# Altium PCB TemperatureController(betaV1.0).PcbDoc (part 2 of 3)
Units mm, origin at the board's own origin, x right, y up, seen from the top; angles counter-clockwise.
Board outline 80.01 x 100.08 mm, 2 copper layers (Top Layer, Bottom Layer); 912 components, 574 nets, 2725 pads, 105 vias.
Unrouted connection lines stored in the file: 2043.
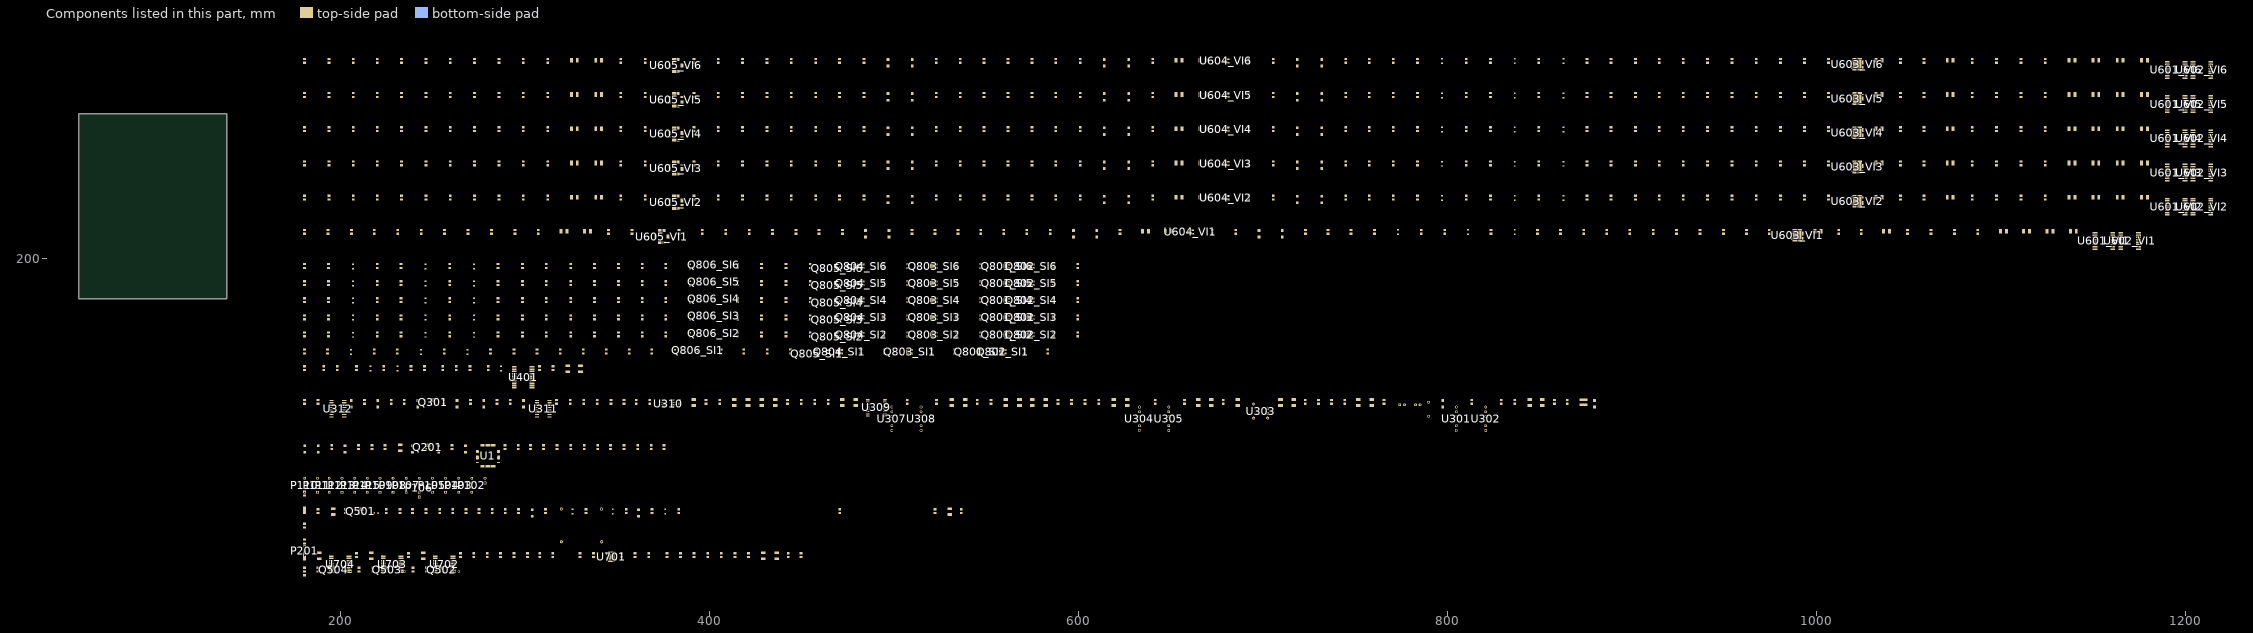
[diagram p2: the components of this part, seen from the top]

## Components (designator, comment, footprint, x,y, rotation, side; value= is the part's Value field where it differs from the comment) (continued)
P110 "Header 4" HDR1X4 180.467,73.152 r90 top
P111 "Header 4" HDR1X4 187.325,73.152 r90 top
P112 "Header 4" HDR1X4 193.675,73.152 r90 top
P113 "Header 4" HDR1X4 200.66,73.152 r90 top
P114 "Header 4" HDR1X4 207.518,73.152 r90 top
P115 "Header 4" HDR1X4 214.376,73.152 r90 top
P201 "Header 3" HDR1X3 180.467,38.862 r90 top
PTC401 "NTCS0805E3103JHT" 0805r 245.364,139.446 r90 top
PTC402 "NTCS0805E3103JHT" 0805r 198.12,139.446 r90 top
Q201 "MMSS8050" SOT-23-BJT 246.253,96.52 r0 top
Q301 "MMSS8050" SOT-23-BJT 249.047,121.031 r0 top
Q501 "MMSS8050" SOT-23-BJT 209.931,61.849 r0 top
Q502 "MMSS8050" SOT-23-BJT 253.746,30.099 r0 top
Q503 "MMSS8050" SOT-23-BJT 224.282,30.099 r0 top
Q504 "MMSS8050" SOT-23-BJT 195.199,30.099 r0 top
Q801_SI1 "MMSS8550" SOT-23-BJT 547.624,148.463 r90 top (schematic designator Q801)
Q801_SI2 "MMSS8550" SOT-23-BJT 562.356,157.734 r90 top (schematic designator Q801)
Q801_SI3 "MMSS8550" SOT-23-BJT 562.356,167.005 r90 top (schematic designator Q801)
Q801_SI4 "MMSS8550" SOT-23-BJT 562.356,176.276 r90 top (schematic designator Q801)
Q801_SI5 "MMSS8550" SOT-23-BJT 562.356,185.547 r90 top (schematic designator Q801)
Q801_SI6 "MMSS8550" SOT-23-BJT 562.356,194.818 r90 top (schematic designator Q801)
Q802_SI1 "MMSS8550" SOT-23-BJT 560.07,148.463 r90 top (schematic designator Q802)
Q802_SI2 "MMSS8550" SOT-23-BJT 575.31,157.734 r90 top (schematic designator Q802)
Q802_SI3 "MMSS8550" SOT-23-BJT 575.31,167.005 r90 top (schematic designator Q802)
Q802_SI4 "MMSS8550" SOT-23-BJT 575.31,176.276 r90 top (schematic designator Q802)
Q802_SI5 "MMSS8550" SOT-23-BJT 575.31,185.547 r90 top (schematic designator Q802)
Q802_SI6 "MMSS8550" SOT-23-BJT 575.31,194.818 r90 top (schematic designator Q802)
Q803_SI1 "MMSS8050" SOT-23-BJT 509.524,148.463 r90 top (schematic designator Q803)
Q803_SI2 "MMSS8050" SOT-23-BJT 522.732,157.734 r90 top (schematic designator Q803)
Q803_SI3 "MMSS8050" SOT-23-BJT 522.732,167.005 r90 top (schematic designator Q803)
Q803_SI4 "MMSS8050" SOT-23-BJT 522.732,176.276 r90 top (schematic designator Q803)
Q803_SI5 "MMSS8050" SOT-23-BJT 522.732,185.547 r90 top (schematic designator Q803)
Q803_SI6 "MMSS8050" SOT-23-BJT 522.732,194.818 r90 top (schematic designator Q803)
Q804_SI1 "MMSS8550" SOT-23-BJT 471.424,148.463 r90 top (schematic designator Q804)
Q804_SI2 "MMSS8550" SOT-23-BJT 483.108,157.734 r90 top (schematic designator Q804)
Q804_SI3 "MMSS8550" SOT-23-BJT 483.108,167.005 r90 top (schematic designator Q804)
Q804_SI4 "MMSS8550" SOT-23-BJT 483.108,176.276 r90 top (schematic designator Q804)
Q804_SI5 "MMSS8550" SOT-23-BJT 483.108,185.547 r90 top (schematic designator Q804)
Q804_SI6 "MMSS8550" SOT-23-BJT 483.108,194.818 r90 top (schematic designator Q804)
Q805_SI1 "BSS138" E3 457.962,148.209 r90 top (schematic designator Q805)
Q805_SI2 "BSS138" E3 469.138,157.48 r90 top (schematic designator Q805)
Q805_SI3 "BSS138" E3 469.138,166.751 r90 top (schematic designator Q805)
Q805_SI4 "BSS138" E3 469.138,176.022 r90 top (schematic designator Q805)
Q805_SI5 "BSS138" E3 469.138,185.293 r90 top (schematic designator Q805)
Q805_SI6 "BSS138" E3 469.138,194.564 r90 top (schematic designator Q805)
Q806_SI1 "Si1024X" SOT563F(SC-89-6) 393.573,150.241 r90 top (schematic designator Q806)
Q806_SI2 "Si1024X" SOT563F(SC-89-6) 402.209,159.512 r90 top (schematic designator Q806)
Q806_SI3 "Si1024X" SOT563F(SC-89-6) 402.209,168.783 r90 top (schematic designator Q806)
Q806_SI4 "Si1024X" SOT563F(SC-89-6) 402.209,178.054 r90 top (schematic designator Q806)
Q806_SI5 "Si1024X" SOT563F(SC-89-6) 402.209,187.325 r90 top (schematic designator Q806)
Q806_SI6 "Si1024X" SOT563F(SC-89-6) 402.209,196.596 r90 top (schematic designator Q806)
R201 "RC0805JR-000KL" 0805R 368.3,96.647 r90 top value=0R
R202 "RC0805JR-07120RL" 0805R 375.158,96.647 r90 top value=120
R203 "RC0805JR-0710KL" 0805R 360.934,96.647 r90 top value=10K
R204 "RC0805JR-0720RL" 0805R 353.568,96.647 r90 top value=20
R205 "RC0805JR-0720RL" 0805R 346.202,96.647 r90 top value=20
R206 "RC0805JR-0710KL" 0805R 331.978,96.647 r90 top value=10K
R207 "RC0805JR-0710KL" 0805R 324.612,96.647 r90 top value=10K
R208 "RC0805JR-0710KL" 0805R 317.246,96.647 r90 top value=10K
R209 "RC0805JR-0710KL" 0805R 309.88,96.647 r90 top value=NC
R210 "RC0805JR-0710KL" 0805R 302.768,96.647 r90 top value=NC
R211 "RC0805JR-0710KL" 0805R 296.164,96.647 r90 top value=NC
R212 "RC0805JR-000KL" 0805R 289.052,96.647 r90 top value=0R
R213 "RC0805JR-0710KL" 0805R 260.35,96.647 r90 top value=10K
R214 "RC0805JR-0710KL" 0805R 216.916,96.647 r90 top value=10K
R215 "RC0805JR-0710KL" 0805R 195.072,96.647 r90 top value=10K
R301 "PNP-200KJBJ26-10R" 0805R 864.87,121.158 r90 top value=10
R302 "PNP-200KJBJ26-10R" 0805R 836.422,121.158 r90 top value=10
R303 "10D470K" mov 789.686,118.237 r90 top
R304 "RC0805JR-071KL" 0805R 367.538,121.158 r90 top value=1K
R305 "RC0805JR-07470RL" 0805R 360.172,121.158 r90 top value=470
R306 "RC0805JR-071KL" 0805R 316.992,121.158 r90 top value=1K
R307 "RC0805JR-071KL" 0805R 324.358,121.158 r90 top value=1K
R308 "RC0805JR-071KL" 0805R 331.724,121.158 r90 top value=1K
R309 "RC0805JR-071KL" 0805R 339.09,121.158 r90 top value=1K
R310 "RC0805JR-071KL" 0805R 346.456,121.158 r90 top value=1K
R311 "RC0805JR-071KL" 0805R 353.568,121.158 r90 top value=1K
R312 "RC0805JR-074700RL" 0805R 291.846,121.158 r90 top value=4.7K
R313 "RC0805JR-074700RL" 0805R 270.256,121.158 r90 top value=4.7K
R314 "RC0805JR-0710KL" 0805R 284.734,121.158 r90 top value=10K
R315 "RC0805JR-074700RL" 0805R 255.778,121.158 r90 top value=4.7K
R316 "RC0805JR-074700RL" 0805R 234.442,121.158 r90 top value=4.7K
R317 "RC0805JR-071KL" 0805R 227.33,121.158 r90 top value=1K
R318 "RC0805JR-071KL" 0805R 212.852,121.158 r90 top value=1K
R319 "RC0805JR-074700RL" 0805R 187.706,121.158 r90 top value=4.7K
R320 "RC0805JR-074700RL" 0805R 180.34,121.158 r90 top value=4.7K
R401 "RC0805JR-0710KL" 0805R 279.908,139.446 r90 top value=10K
R402 "RC0805JR-0720RL" 0805R 255.27,139.446 r90 top value=20
R403 "" 0805R 237.998,139.446 r90 top value=3.9K
R404 "RC0805JR-0720RL" 0805R 223.266,139.446 r90 top value=20
R405 "RC0805JR-0710KL" 0805R 208.534,139.446 r90 top value=10K
R501 "0805L075" 0805R 536.321,61.976 r90 top value=PTC
R502 "" 0805R 368.681,61.976 r90 top value=NC
R503 "RC0805JR-0720RL" 0805R 354.711,61.976 r90 top value=20
R504 "RC0805JR-0720RL" 0805R 332.867,61.976 r90 top value=20
R505 "" 0805R 311.023,61.976 r90 top value=1.5K
R506 "0805L075" 0805R 470.535,61.976 r90 top value=PTC
R507 "RC0805JR-0710KL" 0805R 253.619,61.976 r90 top value=10K
R508 "RC0805JR-0710KL" 0805R 260.731,61.976 r90 top value=10K
R509 "RC0805JR-0710KL" 0805R 267.843,61.976 r90 top value=10K
R510 "RC0805JR-0710KL" 0805R 274.955,61.976 r90 top value=10K
R511 "RC0805JR-0710KL" 0805R 282.067,61.976 r90 top value=10K
R512 "RC0805JR-0710KL" 0805R 289.179,61.976 r90 top value=10K
R513 "RC0805JR-0710KL" 0805R 224.663,61.976 r90 top value=10K
R514 "RC0805JR-0710KL" 0805R 232.029,61.976 r90 top value=10K
R515 "RC0805JR-0710KL" 0805R 238.887,61.976 r90 top value=10K
R516 "RC0805JR-0710KL" 0805R 246.253,61.976 r90 top value=10K
R517 "RC0805JR-07120RL" 0805R 202.438,61.976 r90 top value=120
R518 "RC0805JR-0710KL" 0805R 187.706,61.976 r90 top value=10K
R519 "RC0805JR-07120RL" 0805R 246.507,30.226 r90 top value=120
R520 "RC0805JR-0710KL" 0805R 239.141,30.226 r90 top value=10K
R521 "RC0805JR-07120RL" 0805R 217.297,30.226 r90 top value=120
R522 "RC0805JR-0710KL" 0805R 209.931,30.226 r90 top value=10K
R523 "RC0805JR-07120RL" 0805R 187.706,30.226 r90 top value=120
R524 "RC0805JR-0710KL" 0805R 180.34,30.226 r90 top value=10K
R601_VI1 "RC0805JR-0710KL" 0805R 962.025,213.36 r90 top value=10K (schematic designator R601)
R601_VI2 "RC0805JR-0710KL" 0805R 993.521,231.902 r90 top value=10K (schematic designator R601)
R601_VI3 "RC0805JR-0710KL" 0805R 993.521,250.444 r90 top value=10K (schematic designator R601)
R601_VI4 "RC0805JR-0710KL" 0805R 993.521,268.986 r90 top value=10K (schematic designator R601)
R601_VI5 "RC0805JR-0710KL" 0805R 993.521,287.528 r90 top value=10K (schematic designator R601)
R601_VI6 "RC0805JR-0710KL" 0805R 993.521,306.07 r90 top value=10K (schematic designator R601)
R602_VI1 "RC0805JR-000KL" 0805R 936.879,213.36 r90 top value=0R (schematic designator R602)
R602_VI2 "RC0805JR-000KL" 0805R 967.359,231.902 r90 top value=0R (schematic designator R602)
R602_VI3 "RC0805JR-000KL" 0805R 967.359,250.444 r90 top value=0R (schematic designator R602)
R602_VI4 "RC0805JR-000KL" 0805R 967.359,268.986 r90 top value=0R (schematic designator R602)
R602_VI5 "RC0805JR-000KL" 0805R 967.359,287.528 r90 top value=0R (schematic designator R602)
R602_VI6 "RC0805JR-000KL" 0805R 967.359,306.07 r90 top value=0R (schematic designator R602)
R603_VI1 "RC0805JR-073KL" 0805R 924.179,213.36 r90 top value=13.7K (schematic designator R603)
R603_VI2 "RC0805JR-073KL" 0805R 954.151,231.902 r90 top value=13.7K (schematic designator R603)
R603_VI3 "RC0805JR-073KL" 0805R 954.151,250.444 r90 top value=13.7K (schematic designator R603)
R603_VI4 "RC0805JR-073KL" 0805R 954.151,268.986 r90 top value=13.7K (schematic designator R603)
R603_VI5 "RC0805JR-073KL" 0805R 954.151,287.528 r90 top value=13.7K (schematic designator R603)
R603_VI6 "RC0805JR-073KL" 0805R 954.151,306.07 r90 top value=13.7K (schematic designator R603)
R604_VI1 "RC0805JR-000KL" 0805R 898.779,213.36 r90 top value=0R (schematic designator R604)
R604_VI2 "RC0805JR-000KL" 0805R 927.735,231.902 r90 top value=0R (schematic designator R604)
R604_VI3 "RC0805JR-000KL" 0805R 927.735,250.444 r90 top value=0R (schematic designator R604)
R604_VI4 "RC0805JR-000KL" 0805R 927.735,268.986 r90 top value=0R (schematic designator R604)
R604_VI5 "RC0805JR-000KL" 0805R 927.735,287.528 r90 top value=0R (schematic designator R604)
R604_VI6 "RC0805JR-000KL" 0805R 927.735,306.07 r90 top value=0R (schematic designator R604)
R605_VI1 "RC0805JR-000KL" 0805R 861.187,213.36 r90 top value=0R (schematic designator R605)
R605_VI2 "RC0805JR-000KL" 0805R 888.619,231.902 r90 top value=0R (schematic designator R605)
R605_VI3 "RC0805JR-000KL" 0805R 888.619,250.444 r90 top value=0R (schematic designator R605)
R605_VI4 "RC0805JR-000KL" 0805R 888.619,268.986 r90 top value=0R (schematic designator R605)
R605_VI5 "RC0805JR-000KL" 0805R 888.619,287.528 r90 top value=0R (schematic designator R605)
R605_VI6 "RC0805JR-000KL" 0805R 888.619,306.07 r90 top value=0R (schematic designator R605)
R606_VI1 "" 0805R 823.595,213.36 r90 top value=10R (schematic designator R606)
R606_VI2 "" 0805R 849.503,231.902 r90 top value=10R (schematic designator R606)
R606_VI3 "" 0805R 849.503,250.444 r90 top value=10R (schematic designator R606)
R606_VI4 "" 0805R 849.503,268.986 r90 top value=10R (schematic designator R606)
R606_VI5 "" 0805R 849.503,287.528 r90 top value=10R (schematic designator R606)
R606_VI6 "" 0805R 849.503,306.07 r90 top value=10R (schematic designator R606)
R607_VI1 "RC0805JR-074700RL" 0805R 785.749,213.36 r90 top value=4.7K (schematic designator R607)
R607_VI2 "RC0805JR-074700RL" 0805R 810.133,231.902 r90 top value=4.7K (schematic designator R607)
R607_VI3 "RC0805JR-074700RL" 0805R 810.133,250.444 r90 top value=4.7K (schematic designator R607)
R607_VI4 "RC0805JR-074700RL" 0805R 810.133,268.986 r90 top value=4.7K (schematic designator R607)
R607_VI5 "RC0805JR-074700RL" 0805R 810.133,287.528 r90 top value=4.7K (schematic designator R607)
R607_VI6 "RC0805JR-074700RL" 0805R 810.133,306.07 r90 top value=4.7K (schematic designator R607)
R608_VI1 "RC0805JR-071KL" 0805R 760.349,213.36 r90 top value=1K (schematic designator R608)
R608_VI2 "RC0805JR-071KL" 0805R 783.717,231.902 r90 top value=1K (schematic designator R608)
R608_VI3 "RC0805JR-071KL" 0805R 783.717,250.444 r90 top value=1K (schematic designator R608)
R608_VI4 "RC0805JR-071KL" 0805R 783.717,268.986 r90 top value=1K (schematic designator R608)
R608_VI5 "RC0805JR-071KL" 0805R 783.717,287.528 r90 top value=1K (schematic designator R608)
R608_VI6 "RC0805JR-071KL" 0805R 783.717,306.07 r90 top value=1K (schematic designator R608)
R609_VI1 "RC0805JR-071KL" 0805R 747.649,213.36 r90 top value=1K (schematic designator R609)
R609_VI2 "RC0805JR-071KL" 0805R 770.509,231.902 r90 top value=1K (schematic designator R609)
R609_VI3 "RC0805JR-071KL" 0805R 770.509,250.444 r90 top value=1K (schematic designator R609)
R609_VI4 "RC0805JR-071KL" 0805R 770.509,268.986 r90 top value=1K (schematic designator R609)
R609_VI5 "RC0805JR-071KL" 0805R 770.509,287.528 r90 top value=1K (schematic designator R609)
R609_VI6 "RC0805JR-071KL" 0805R 770.509,306.07 r90 top value=1K (schematic designator R609)
R610_VI1 "RC0805JR-071KL" 0805R 735.203,213.36 r90 top value=1K (schematic designator R610)
R610_VI2 "RC0805JR-071KL" 0805R 757.555,231.902 r90 top value=1K (schematic designator R610)
R610_VI3 "RC0805JR-071KL" 0805R 757.555,250.444 r90 top value=1K (schematic designator R610)
R610_VI4 "RC0805JR-071KL" 0805R 757.555,268.986 r90 top value=1K (schematic designator R610)
R610_VI5 "RC0805JR-071KL" 0805R 757.555,287.528 r90 top value=1K (schematic designator R610)
R610_VI6 "RC0805JR-071KL" 0805R 757.555,306.07 r90 top value=1K (schematic designator R610)
R611_VI1 "RC0805JR-071KL" 0805R 723.011,213.36 r90 top value=1K (schematic designator R611)
R611_VI2 "RC0805JR-071KL" 0805R 744.855,231.902 r90 top value=1K (schematic designator R611)
R611_VI3 "RC0805JR-071KL" 0805R 744.855,250.444 r90 top value=1K (schematic designator R611)
R611_VI4 "RC0805JR-071KL" 0805R 744.855,268.986 r90 top value=1K (schematic designator R611)
R611_VI5 "RC0805JR-071KL" 0805R 744.855,287.528 r90 top value=1K (schematic designator R611)
R611_VI6 "RC0805JR-071KL" 0805R 744.855,306.07 r90 top value=1K (schematic designator R611)
R612_VI1 "RC0805JR-073KL" 0805R 685.165,213.36 r90 top value=3K (schematic designator R612)
R612_VI2 "RC0805JR-073KL" 0805R 705.485,231.902 r90 top value=3K (schematic designator R612)
R612_VI3 "RC0805JR-073KL" 0805R 705.485,250.444 r90 top value=3K (schematic designator R612)
R612_VI4 "RC0805JR-073KL" 0805R 705.485,268.986 r90 top value=3K (schematic designator R612)
R612_VI5 "RC0805JR-073KL" 0805R 705.485,287.528 r90 top value=3K (schematic designator R612)
R612_VI6 "RC0805JR-073KL" 0805R 705.485,306.07 r90 top value=3K (schematic designator R612)
R613_VI1 "RC0805JR-000KL" 0805R 622.427,213.36 r90 top value=0R (schematic designator R613)
R613_VI2 "RC0805JR-000KL" 0805R 640.207,231.902 r90 top value=0R (schematic designator R613)
R613_VI3 "RC0805JR-000KL" 0805R 640.207,250.444 r90 top value=0R (schematic designator R613)
R613_VI4 "RC0805JR-000KL" 0805R 640.207,268.986 r90 top value=0R (schematic designator R613)
R613_VI5 "RC0805JR-000KL" 0805R 640.207,287.528 r90 top value=0R (schematic designator R613)
R613_VI6 "RC0805JR-000KL" 0805R 640.207,306.07 r90 top value=0R (schematic designator R613)
R614_VI1 "RC0805JR-000KL" 0805R 559.435,213.36 r90 top value=0R (schematic designator R614)
R614_VI2 "RC0805JR-000KL" 0805R 574.675,231.902 r90 top value=0R (schematic designator R614)
R614_VI3 "RC0805JR-000KL" 0805R 574.675,250.444 r90 top value=0R (schematic designator R614)
R614_VI4 "RC0805JR-000KL" 0805R 574.675,268.986 r90 top value=0R (schematic designator R614)
R614_VI5 "RC0805JR-000KL" 0805R 574.675,287.528 r90 top value=0R (schematic designator R614)
R614_VI6 "RC0805JR-000KL" 0805R 574.675,306.07 r90 top value=0R (schematic designator R614)
R615_VI1 "RC0805JR-073KL" 0805R 534.543,213.36 r90 top value=3K (schematic designator R615)
R615_VI2 "RC0805JR-073KL" 0805R 548.767,231.902 r90 top value=3K (schematic designator R615)
R615_VI3 "RC0805JR-073KL" 0805R 548.767,250.444 r90 top value=3K (schematic designator R615)
R615_VI4 "RC0805JR-073KL" 0805R 548.767,268.986 r90 top value=3K (schematic designator R615)
R615_VI5 "RC0805JR-073KL" 0805R 548.767,287.528 r90 top value=3K (schematic designator R615)
R615_VI6 "RC0805JR-073KL" 0805R 548.767,306.07 r90 top value=3K (schematic designator R615)
R616_VI1 "RC0805JR-0710KL" 0805R 546.989,213.36 r90 top value=10K (schematic designator R616)
R616_VI2 "RC0805JR-0710KL" 0805R 561.721,231.902 r90 top value=10K (schematic designator R616)
R616_VI3 "RC0805JR-0710KL" 0805R 561.721,250.444 r90 top value=10K (schematic designator R616)
R616_VI4 "RC0805JR-0710KL" 0805R 561.721,268.986 r90 top value=10K (schematic designator R616)
R616_VI5 "RC0805JR-0710KL" 0805R 561.721,287.528 r90 top value=10K (schematic designator R616)
R616_VI6 "RC0805JR-0710KL" 0805R 561.721,306.07 r90 top value=10K (schematic designator R616)
R617_VI1 "RC0805JR-000KL" 0805R 522.097,213.36 r90 top value=0R (schematic designator R617)
R617_VI2 "RC0805JR-000KL" 0805R 535.813,231.902 r90 top value=0R (schematic designator R617)
R617_VI3 "RC0805JR-000KL" 0805R 535.813,250.444 r90 top value=0R (schematic designator R617)
R617_VI4 "RC0805JR-000KL" 0805R 535.813,268.986 r90 top value=0R (schematic designator R617)
R617_VI5 "RC0805JR-000KL" 0805R 535.813,287.528 r90 top value=0R (schematic designator R617)
R617_VI6 "RC0805JR-000KL" 0805R 535.813,306.07 r90 top value=0R (schematic designator R617)
R618_VI1 "RC0805JR-0710KL" 0805R 509.651,213.36 r90 top value=10K (schematic designator R618)
R618_VI2 "RC0805JR-0710KL" 0805R 522.859,231.902 r90 top value=10K (schematic designator R618)
R618_VI3 "RC0805JR-0710KL" 0805R 522.859,250.444 r90 top value=10K (schematic designator R618)
R618_VI4 "RC0805JR-0710KL" 0805R 522.859,268.986 r90 top value=10K (schematic designator R618)
R618_VI5 "RC0805JR-0710KL" 0805R 522.859,287.528 r90 top value=10K (schematic designator R618)
R618_VI6 "RC0805JR-0710KL" 0805R 522.859,306.07 r90 top value=10K (schematic designator R618)
R619_VI1 "RC0805JR-000KL" 0805R 471.932,213.36 r90 top value=0R (schematic designator R619)
R619_VI2 "RC0805JR-000KL" 0805R 483.616,231.902 r90 top value=0R (schematic designator R619)
R619_VI3 "RC0805JR-000KL" 0805R 483.616,250.444 r90 top value=0R (schematic designator R619)
R619_VI4 "RC0805JR-000KL" 0805R 483.616,268.986 r90 top value=0R (schematic designator R619)
R619_VI5 "RC0805JR-000KL" 0805R 483.616,287.528 r90 top value=0R (schematic designator R619)
R619_VI6 "RC0805JR-000KL" 0805R 483.616,306.07 r90 top value=0R (schematic designator R619)
R620_VI1 "RC0805JR-0710KL" 0805R 459.232,213.36 r90 top value=10K (schematic designator R620)
R620_VI2 "RC0805JR-0710KL" 0805R 470.408,231.902 r90 top value=10K (schematic designator R620)
R620_VI3 "RC0805JR-0710KL" 0805R 470.408,250.444 r90 top value=10K (schematic designator R620)
R620_VI4 "RC0805JR-0710KL" 0805R 470.408,268.986 r90 top value=10K (schematic designator R620)
R620_VI5 "RC0805JR-0710KL" 0805R 470.408,287.528 r90 top value=10K (schematic designator R620)
R620_VI6 "RC0805JR-0710KL" 0805R 470.408,306.07 r90 top value=10K (schematic designator R620)
R621_VI1 "RC0805JR-000KL" 0805R 446.786,213.36 r90 top value=0R (schematic designator R621)
R621_VI2 "RC0805JR-000KL" 0805R 457.454,231.902 r90 top value=0R (schematic designator R621)
R621_VI3 "RC0805JR-000KL" 0805R 457.454,250.444 r90 top value=0R (schematic designator R621)
R621_VI4 "RC0805JR-000KL" 0805R 457.454,268.986 r90 top value=0R (schematic designator R621)
R621_VI5 "RC0805JR-000KL" 0805R 457.454,287.528 r90 top value=0R (schematic designator R621)
R621_VI6 "RC0805JR-000KL" 0805R 457.454,306.07 r90 top value=0R (schematic designator R621)
R622_VI1 "RC0805JR-000KL" 0805R 434.086,213.36 r90 top value=0R (schematic designator R622)
R622_VI2 "RC0805JR-000KL" 0805R 444.246,231.902 r90 top value=0R (schematic designator R622)
R622_VI3 "RC0805JR-000KL" 0805R 444.246,250.444 r90 top value=0R (schematic designator R622)
R622_VI4 "RC0805JR-000KL" 0805R 444.246,268.986 r90 top value=0R (schematic designator R622)
R622_VI5 "RC0805JR-000KL" 0805R 444.246,287.528 r90 top value=0R (schematic designator R622)
R622_VI6 "RC0805JR-000KL" 0805R 444.246,306.07 r90 top value=0R (schematic designator R622)
R623_VI1 "RC0805JR-0710KL" 0805R 421.386,213.36 r90 top value=10K (schematic designator R623)
R623_VI2 "RC0805JR-0710KL" 0805R 431.038,231.902 r90 top value=10K (schematic designator R623)
R623_VI3 "RC0805JR-0710KL" 0805R 431.038,250.444 r90 top value=10K (schematic designator R623)
R623_VI4 "RC0805JR-0710KL" 0805R 431.038,268.986 r90 top value=10K (schematic designator R623)
R623_VI5 "RC0805JR-0710KL" 0805R 431.038,287.528 r90 top value=10K (schematic designator R623)
R623_VI6 "RC0805JR-0710KL" 0805R 431.038,306.07 r90 top value=10K (schematic designator R623)
R624_VI1 "RC0805JR-0710KL" 0805R 408.686,213.36 r90 top value=10K (schematic designator R624)
R624_VI2 "RC0805JR-0710KL" 0805R 417.83,231.902 r90 top value=10K (schematic designator R624)
R624_VI3 "RC0805JR-0710KL" 0805R 417.83,250.444 r90 top value=10K (schematic designator R624)
R624_VI4 "RC0805JR-0710KL" 0805R 417.83,268.986 r90 top value=10K (schematic designator R624)
R624_VI5 "RC0805JR-0710KL" 0805R 417.83,287.528 r90 top value=10K (schematic designator R624)
R624_VI6 "RC0805JR-0710KL" 0805R 417.83,306.07 r90 top value=10K (schematic designator R624)
R625_VI1 "RC0805JR-000KL" 0805R 395.986,213.36 r90 top value=0R (schematic designator R625)
R625_VI2 "RC0805JR-000KL" 0805R 404.622,231.902 r90 top value=0R (schematic designator R625)
R625_VI3 "RC0805JR-000KL" 0805R 404.622,250.444 r90 top value=0R (schematic designator R625)
R625_VI4 "RC0805JR-000KL" 0805R 404.622,268.986 r90 top value=0R (schematic designator R625)
R625_VI5 "RC0805JR-000KL" 0805R 404.622,287.528 r90 top value=0R (schematic designator R625)
R625_VI6 "RC0805JR-000KL" 0805R 404.622,306.07 r90 top value=0R (schematic designator R625)
R626_VI1 "RC0805JR-0710KL" 0805R 383.286,213.36 r90 top value=10K (schematic designator R626)
R626_VI2 "RC0805JR-0710KL" 0805R 391.414,231.902 r90 top value=10K (schematic designator R626)
R626_VI3 "RC0805JR-0710KL" 0805R 391.414,250.444 r90 top value=10K (schematic designator R626)
R626_VI4 "RC0805JR-0710KL" 0805R 391.414,268.986 r90 top value=10K (schematic designator R626)
R626_VI5 "RC0805JR-0710KL" 0805R 391.414,287.528 r90 top value=10K (schematic designator R626)
R626_VI6 "RC0805JR-0710KL" 0805R 391.414,306.07 r90 top value=10K (schematic designator R626)
R627_VI1 "" 0805R 294.386,213.36 r90 top value=150K (schematic designator R627)
R627_VI2 "" 0805R 298.958,231.902 r90 top value=150K (schematic designator R627)
R627_VI3 "" 0805R 298.958,250.444 r90 top value=150K (schematic designator R627)
R627_VI4 "" 0805R 298.958,268.986 r90 top value=150K (schematic designator R627)
R627_VI5 "" 0805R 298.958,287.528 r90 top value=150K (schematic designator R627)
R627_VI6 "" 0805R 298.958,306.07 r90 top value=150K (schematic designator R627)
R628_VI1 "" 0805R 243.586,213.36 r90 top value=1.2M (schematic designator R628)
R628_VI2 "" 0805R 246.126,231.902 r90 top value=1.2M (schematic designator R628)
R628_VI3 "" 0805R 246.126,250.444 r90 top value=1.2M (schematic designator R628)
R628_VI4 "" 0805R 246.126,268.986 r90 top value=1.2M (schematic designator R628)
R628_VI5 "" 0805R 246.126,287.528 r90 top value=1.2M (schematic designator R628)
R628_VI6 "" 0805R 246.126,306.07 r90 top value=1.2M (schematic designator R628)
R629_VI1 "" 0805R 230.886,213.36 r90 top value=1.2M (schematic designator R629)
R629_VI2 "" 0805R 232.918,231.902 r90 top value=1.2M (schematic designator R629)
R629_VI3 "" 0805R 232.918,250.444 r90 top value=1.2M (schematic designator R629)
R629_VI4 "" 0805R 232.918,268.986 r90 top value=1.2M (schematic designator R629)
R629_VI5 "" 0805R 232.918,287.528 r90 top value=1.2M (schematic designator R629)
R629_VI6 "" 0805R 232.918,306.07 r90 top value=1.2M (schematic designator R629)
R701 "RC0805JR-075600RL" 0805R 449.453,38.1 r90 top value=5.6K
R702 "RC0805JR-071KL" 0805R 391.541,38.1 r90 top value=1K
R703 "RC0805JR-071KL" 0805R 376.809,38.1 r90 top value=1K
R704 "RC0805JR-07470RL" 0805R 352.171,38.1 r90 top value=470
R705 "RC0805JR-000KL" 0805R 329.692,38.1 r90 top value=0R
R706 "RC0805JR-071KL" 0805R 293.878,38.1 r90 top value=1K
R707 "RC0805JR-075600RL" 0805R 286.512,38.1 r90 top value=5.6K
R708 "RC0805JR-071KL" 0805R 272.034,38.1 r90 top value=1K
R801_SI1 "RC0805JR-0710KL" 0805R 583.311,148.463 r90 top value=10K (schematic designator R801)
R801_SI2 "RC0805JR-0710KL" 0805R 599.567,157.734 r90 top value=10K (schematic designator R801)
R801_SI3 "RC0805JR-0710KL" 0805R 599.567,167.005 r90 top value=10K (schematic designator R801)
R801_SI4 "RC0805JR-0710KL" 0805R 599.567,176.276 r90 top value=10K (schematic designator R801)
R801_SI5 "RC0805JR-0710KL" 0805R 599.567,185.547 r90 top value=10K (schematic designator R801)
R801_SI6 "RC0805JR-0710KL" 0805R 599.567,194.818 r90 top value=10K (schematic designator R801)
R802_SI1 "RC0805JR-0710KL" 0805R 570.611,148.463 r90 top value=10K (schematic designator R802)
R802_SI2 "RC0805JR-0710KL" 0805R 586.359,157.734 r90 top value=10K (schematic designator R802)
R802_SI3 "RC0805JR-0710KL" 0805R 586.359,167.005 r90 top value=10K (schematic designator R802)
R802_SI4 "RC0805JR-0710KL" 0805R 586.359,176.276 r90 top value=10K (schematic designator R802)
R802_SI5 "RC0805JR-0710KL" 0805R 586.359,185.547 r90 top value=10K (schematic designator R802)
R802_SI6 "RC0805JR-0710KL" 0805R 586.359,194.818 r90 top value=10K (schematic designator R802)
R803_SI1 "RC0805JR-0710KL" 0805R 532.765,148.463 r90 top value=10K (schematic designator R803)
R803_SI2 "RC0805JR-0710KL" 0805R 546.989,157.734 r90 top value=10K (schematic designator R803)
R803_SI3 "RC0805JR-0710KL" 0805R 546.989,167.005 r90 top value=10K (schematic designator R803)
R803_SI4 "RC0805JR-0710KL" 0805R 546.989,176.276 r90 top value=10K (schematic designator R803)
R803_SI5 "RC0805JR-0710KL" 0805R 546.989,185.547 r90 top value=10K (schematic designator R803)
R803_SI6 "RC0805JR-0710KL" 0805R 546.989,194.818 r90 top value=10K (schematic designator R803)
R804_SI1 "RC0805JR-0710KL" 0805R 520.065,148.463 r90 top value=10K (schematic designator R804)
R804_SI2 "RC0805JR-0710KL" 0805R 533.781,157.734 r90 top value=10K (schematic designator R804)
R804_SI3 "RC0805JR-0710KL" 0805R 533.781,167.005 r90 top value=10K (schematic designator R804)
R804_SI4 "RC0805JR-0710KL" 0805R 533.781,176.276 r90 top value=10K (schematic designator R804)
R804_SI5 "RC0805JR-0710KL" 0805R 533.781,185.547 r90 top value=10K (schematic designator R804)
R804_SI6 "RC0805JR-0710KL" 0805R 533.781,194.818 r90 top value=10K (schematic designator R804)
R805_SI1 "RC0805JR-0710KL" 0805R 494.665,148.463 r90 top value=10K (schematic designator R805)
R805_SI2 "RC0805JR-0710KL" 0805R 507.365,157.734 r90 top value=10K (schematic designator R805)
R805_SI3 "RC0805JR-0710KL" 0805R 507.365,167.005 r90 top value=10K (schematic designator R805)
R805_SI4 "RC0805JR-0710KL" 0805R 507.365,176.276 r90 top value=10K (schematic designator R805)
R805_SI5 "RC0805JR-0710KL" 0805R 507.365,185.547 r90 top value=10K (schematic designator R805)
R805_SI6 "RC0805JR-0710KL" 0805R 507.365,194.818 r90 top value=10K (schematic designator R805)
R806_SI1 "RC0805JR-0710KL" 0805R 481.965,148.463 r90 top value=10K (schematic designator R806)
R806_SI2 "RC0805JR-0710KL" 0805R 494.157,157.734 r90 top value=10K (schematic designator R806)
R806_SI3 "RC0805JR-0710KL" 0805R 494.157,167.005 r90 top value=10K (schematic designator R806)
R806_SI4 "RC0805JR-0710KL" 0805R 494.157,176.276 r90 top value=10K (schematic designator R806)
R806_SI5 "RC0805JR-0710KL" 0805R 494.157,185.547 r90 top value=10K (schematic designator R806)
R806_SI6 "RC0805JR-0710KL" 0805R 494.157,194.818 r90 top value=10K (schematic designator R806)
R807_SI1 "RC0805JR-0720RL" 0805R 443.865,148.463 r90 top value=20 (schematic designator R807)
R807_SI2 "RC0805JR-0720RL" 0805R 454.533,157.734 r90 top value=20 (schematic designator R807)
R807_SI3 "RC0805JR-0720RL" 0805R 454.533,167.005 r90 top value=20 (schematic designator R807)
R807_SI4 "RC0805JR-0720RL" 0805R 454.533,176.276 r90 top value=20 (schematic designator R807)
R807_SI5 "RC0805JR-0720RL" 0805R 454.533,185.547 r90 top value=20 (schematic designator R807)
R807_SI6 "RC0805JR-0720RL" 0805R 454.533,194.818 r90 top value=20 (schematic designator R807)
R808_SI1 "RC0805JR-0710KL" 0805R 431.165,148.463 r90 top value=10K (schematic designator R808)
R808_SI2 "RC0805JR-0710KL" 0805R 441.325,157.734 r90 top value=10K (schematic designator R808)
R808_SI3 "RC0805JR-0710KL" 0805R 441.325,167.005 r90 top value=10K (schematic designator R808)
R808_SI4 "RC0805JR-0710KL" 0805R 441.325,176.276 r90 top value=10K (schematic designator R808)
R808_SI5 "RC0805JR-0710KL" 0805R 441.325,185.547 r90 top value=10K (schematic designator R808)
R808_SI6 "RC0805JR-0710KL" 0805R 441.325,194.818 r90 top value=10K (schematic designator R808)
R809_SI1 "RC0805JR-0710KL" 0805R 418.465,148.463 r90 top value=10K (schematic designator R809)
R809_SI2 "RC0805JR-0710KL" 0805R 428.117,157.734 r90 top value=10K (schematic designator R809)
R809_SI3 "RC0805JR-0710KL" 0805R 428.117,167.005 r90 top value=10K (schematic designator R809)
R809_SI4 "RC0805JR-0710KL" 0805R 428.117,176.276 r90 top value=10K (schematic designator R809)
R809_SI5 "RC0805JR-0710KL" 0805R 428.117,185.547 r90 top value=10K (schematic designator R809)
R809_SI6 "RC0805JR-0710KL" 0805R 428.117,194.818 r90 top value=10K (schematic designator R809)
R810_SI1 "RC0805JR-0710KL" 0805R 406.146,148.463 r90 top value=10K (schematic designator R810)
R810_SI2 "RC0805JR-0710KL" 0805R 415.163,157.734 r90 top value=10K (schematic designator R810)
R810_SI3 "RC0805JR-0710KL" 0805R 415.163,167.005 r90 top value=10K (schematic designator R810)
R810_SI4 "RC0805JR-0710KL" 0805R 415.163,176.276 r90 top value=10K (schematic designator R810)
R810_SI5 "RC0805JR-0710KL" 0805R 415.163,185.547 r90 top value=10K (schematic designator R810)
R810_SI6 "RC0805JR-0710KL" 0805R 415.163,194.818 r90 top value=10K (schematic designator R810)
R811_SI1 "RC0805JR-0710KL" 0805R 356.362,148.463 r90 top value=10K (schematic designator R811)
R811_SI2 "RC0805JR-0710KL" 0805R 363.474,157.734 r90 top value=10K (schematic designator R811)
R811_SI3 "RC0805JR-0710KL" 0805R 363.474,167.005 r90 top value=10K (schematic designator R811)
R811_SI4 "RC0805JR-0710KL" 0805R 363.474,176.276 r90 top value=10K (schematic designator R811)
R811_SI5 "RC0805JR-0710KL" 0805R 363.474,185.547 r90 top value=10K (schematic designator R811)
R811_SI6 "RC0805JR-0710KL" 0805R 363.474,194.818 r90 top value=10K (schematic designator R811)
R812_SI1 "RC0805JR-0720RL" 0805R 343.916,148.463 r90 top value=20 (schematic designator R812)
R812_SI2 "RC0805JR-0720RL" 0805R 350.52,157.734 r90 top value=20 (schematic designator R812)
R812_SI3 "RC0805JR-0720RL" 0805R 350.52,167.005 r90 top value=20 (schematic designator R812)
R812_SI4 "RC0805JR-0720RL" 0805R 350.52,176.276 r90 top value=20 (schematic designator R812)
R812_SI5 "RC0805JR-0720RL" 0805R 350.52,185.547 r90 top value=20 (schematic designator R812)
R812_SI6 "RC0805JR-0720RL" 0805R 350.52,194.818 r90 top value=20 (schematic designator R812)
R813_SI1 "RC0805JR-0720RL" 0805R 331.47,148.463 r90 top value=20 (schematic designator R813)
R813_SI2 "RC0805JR-0720RL" 0805R 337.566,157.734 r90 top value=20 (schematic designator R813)
R813_SI3 "RC0805JR-0720RL" 0805R 337.566,167.005 r90 top value=20 (schematic designator R813)
R813_SI4 "RC0805JR-0720RL" 0805R 337.566,176.276 r90 top value=20 (schematic designator R813)
R813_SI5 "RC0805JR-0720RL" 0805R 337.566,185.547 r90 top value=20 (schematic designator R813)
R813_SI6 "RC0805JR-0720RL" 0805R 337.566,194.818 r90 top value=20 (schematic designator R813)
R814_SI1 "RC0805JR-0710KL" 0805R 319.024,148.463 r90 top value=10K (schematic designator R814)
R814_SI2 "RC0805JR-0710KL" 0805R 324.612,157.734 r90 top value=10K (schematic designator R814)
R814_SI3 "RC0805JR-0710KL" 0805R 324.612,167.005 r90 top value=10K (schematic designator R814)
R814_SI4 "RC0805JR-0710KL" 0805R 324.612,176.276 r90 top value=10K (schematic designator R814)
R814_SI5 "RC0805JR-0710KL" 0805R 324.612,185.547 r90 top value=10K (schematic designator R814)
R814_SI6 "RC0805JR-0710KL" 0805R 324.612,194.818 r90 top value=10K (schematic designator R814)
R815_SI1 "RC0805JR-07100RL" 0805R 293.878,148.463 r90 top value=100R (schematic designator R815)
R815_SI2 "RC0805JR-07100RL" 0805R 298.45,157.734 r90 top value=100R (schematic designator R815)
R815_SI3 "RC0805JR-07100RL" 0805R 298.45,167.005 r90 top value=100R (schematic designator R815)
R815_SI4 "RC0805JR-07100RL" 0805R 298.45,176.276 r90 top value=100R (schematic designator R815)
R815_SI5 "RC0805JR-07100RL" 0805R 298.45,185.547 r90 top value=100R (schematic designator R815)
R815_SI6 "RC0805JR-07100RL" 0805R 298.45,194.818 r90 top value=100R (schematic designator R815)
R816_SI1 "RC0805JR-071KL" 0805R 256.032,148.463 r90 top value=1K (schematic designator R816)
R816_SI2 "RC0805JR-071KL" 0805R 259.08,157.734 r90 top value=1K (schematic designator R816)
R816_SI3 "RC0805JR-071KL" 0805R 259.08,167.005 r90 top value=1K (schematic designator R816)
R816_SI4 "RC0805JR-071KL" 0805R 259.08,176.276 r90 top value=1K (schematic designator R816)
R816_SI5 "RC0805JR-071KL" 0805R 259.08,185.547 r90 top value=1K (schematic designator R816)
R816_SI6 "RC0805JR-071KL" 0805R 259.08,194.818 r90 top value=1K (schematic designator R816)
R817_SI1 "RC0805JR-071KL" 0805R 218.186,148.463 r90 top value=1K (schematic designator R817)
R817_SI2 "RC0805JR-071KL" 0805R 219.71,157.734 r90 top value=1K (schematic designator R817)
R817_SI3 "RC0805JR-071KL" 0805R 219.71,167.005 r90 top value=1K (schematic designator R817)
R817_SI4 "RC0805JR-071KL" 0805R 219.71,176.276 r90 top value=1K (schematic designator R817)
R817_SI5 "RC0805JR-071KL" 0805R 219.71,185.547 r90 top value=1K (schematic designator R817)
R817_SI6 "RC0805JR-071KL" 0805R 219.71,194.818 r90 top value=1K (schematic designator R817)
R818_SI1 "RC0805JR-07100RL" 0805R 180.34,148.463 r90 top value=100R (schematic designator R818)
R818_SI2 "RC0805JR-07100RL" 0805R 180.34,157.734 r90 top value=100R (schematic designator R818)
R818_SI3 "RC0805JR-07100RL" 0805R 180.34,167.005 r90 top value=100R (schematic designator R818)
R818_SI4 "RC0805JR-07100RL" 0805R 180.34,176.276 r90 top value=100R (schematic designator R818)
R818_SI5 "RC0805JR-07100RL" 0805R 180.34,185.547 r90 top value=100R (schematic designator R818)
R818_SI6 "RC0805JR-07100RL" 0805R 180.34,194.818 r90 top value=100R (schematic designator R818)
R819_SI1 "RC0805JR-07470RL" 0805R 180.34,28.194 r90 top value=470 (schematic designator R819)
R819_SI2 "RC0805JR-07470RL" 0805R 180.34,36.83 r90 top value=470 (schematic designator R819)
R819_SI3 "RC0805JR-07470RL" 0805R 180.34,45.466 r90 top value=470 (schematic designator R819)
R819_SI4 "RC0805JR-07470RL" 0805R 180.34,54.102 r90 top value=470 (schematic designator R819)
R819_SI5 "RC0805JR-07470RL" 0805R 180.34,62.738 r90 top value=470 (schematic designator R819)
R819_SI6 "RC0805JR-07470RL" 0805R 180.34,71.374 r90 top value=470 (schematic designator R819)
U1 "STC8H8K64U_QFN64" LQFP64S(12x12) 274.066,96.774 r0 top
U301 "A05_S-1WR3" A05_S-1WR3 804.799,106.68 r90 top
U302 "A05_S-1WR3" A05_S-1WR3 820.674,106.68 r90 top
U303 "WRB_ST(SD)-3WR2" WRB_ST(SD)-3WR2 694.817,121.031 r0 top
U304 "A05_S-1WR3" A05_S-1WR3 632.968,106.68 r90 top
U305 "A05_S-1WR3" A05_S-1WR3 648.843,106.68 r90 top
U307 "A05_S-1WR3" A05_S-1WR3 498.729,106.68 r90 top
U308 "A05_S-1WR3" A05_S-1WR3 514.604,106.68 r90 top
U309 "B0505ST16-W5" SOP16-1.27(V2) 490.347,119.253 r0 top
U310 "HCPL063A" SO-8-N 375.031,123.19 r0 top
U311 "TLP293-4" SO-16 309.753,118.491 r0 top
U312 "TLP293-4" SO-16 198.374,118.491 r0 top
U401 "ADM2582E" SOIC_W-20(RW-20) 298.831,135.509 r0 top
U601_VI1 "ADuM262N" SOIC-16(RI-16-2) 1155.827,209.423 r0 top (schematic designator U601)
U601_VI2 "ADuM262N" SOIC-16(RI-16-2) 1194.943,227.965 r0 top (schematic designator U601)
U601_VI3 "ADuM262N" SOIC-16(RI-16-2) 1194.943,246.507 r0 top (schematic designator U601)
U601_VI4 "ADuM262N" SOIC-16(RI-16-2) 1194.943,265.049 r0 top (schematic designator U601)
U601_VI5 "ADuM262N" SOIC-16(RI-16-2) 1194.943,283.591 r0 top (schematic designator U601)
U601_VI6 "ADuM262N" SOIC-16(RI-16-2) 1194.943,302.133 r0 top (schematic designator U601)
U602_VI1 "ADuM262N" SOIC-16(RI-16-2) 1169.797,209.423 r0 top (schematic designator U602)
U602_VI2 "ADuM262N" SOIC-16(RI-16-2) 1208.913,227.965 r0 top (schematic designator U602)
U602_VI3 "ADuM262N" SOIC-16(RI-16-2) 1208.913,246.507 r0 top (schematic designator U602)
U602_VI4 "ADuM262N" SOIC-16(RI-16-2) 1208.913,265.049 r0 top (schematic designator U602)
U602_VI5 "ADuM262N" SOIC-16(RI-16-2) 1208.913,283.591 r0 top (schematic designator U602)
U602_VI6 "ADuM262N" SOIC-16(RI-16-2) 1208.913,302.133 r0 top (schematic designator U602)
U603_VI1 "AD5753" CP-40-15(QFN40) 989.584,212.471 r90 top (schematic designator U603)
U603_VI2 "AD5753" CP-40-15(QFN40) 1022.096,231.013 r90 top (schematic designator U603)
U603_VI3 "AD5753" CP-40-15(QFN40) 1022.096,249.555 r90 top (schematic designator U603)
U603_VI4 "AD5753" CP-40-15(QFN40) 1022.096,268.097 r90 top (schematic designator U603)
U603_VI5 "AD5753" CP-40-15(QFN40) 1022.096,286.639 r90 top (schematic designator U603)
U603_VI6 "AD5753" CP-40-15(QFN40) 1022.096,305.181 r90 top (schematic designator U603)
U604_VI1 "TL431" SOT-23-3 661.67,213.36 r90 top (schematic designator U604)
U604_VI2 "TL431" SOT-23-3 680.974,231.902 r90 top (schematic designator U604)
U604_VI3 "TL431" SOT-23-3 680.974,250.444 r90 top (schematic designator U604)
U604_VI4 "TL431" SOT-23-3 680.974,268.986 r90 top (schematic designator U604)
U604_VI5 "TL431" SOT-23-3 680.974,287.528 r90 top (schematic designator U604)
U604_VI6 "TL431" SOT-23-3 680.974,306.07 r90 top (schematic designator U604)
U605_VI1 "DAC8742H" S-PQFP-G32 374.015,211.836 r0 top (schematic designator U605)
U605_VI2 "DAC8742H" S-PQFP-G32 381.635,230.378 r0 top (schematic designator U605)
U605_VI3 "DAC8742H" S-PQFP-G32 381.635,248.92 r0 top (schematic designator U605)
U605_VI4 "DAC8742H" S-PQFP-G32 381.635,267.462 r0 top (schematic designator U605)
U605_VI5 "DAC8742H" S-PQFP-G32 381.635,286.004 r0 top (schematic designator U605)
U605_VI6 "DAC8742H" S-PQFP-G32 381.635,304.546 r0 top (schematic designator U605)
U701 "AD7124-8" TI-RHB32-3150X3150TP_V 346.71,38.227 r0 top
U702 "ADuM260N" SOIC-16(RI-16-2) 256.032,34.163 r0 top
U703 "ADuM260N" SOIC-16(RI-16-2) 227.838,34.163 r0 top
U704 "ADuM241D" SOIC-16(RI-16-2) 199.644,34.163 r0 top

## Footprints (in the part's own frame and the unit in brackets; to place one, negate y for a bottom-side part, rotate by r counter-clockwise, add the part's x,y. Pads: shape width x height; smd on the part's side, far side on the other; paste and mask are expansions set on the pad)
0805c [mm]
  rect 1.2x1.5 smd: 1(0,0) 2(2.048,0)
  silkscreen extent -1.02,-1.14 3.05,1.14, body extent 0.02,-0.65 2.02,0.66, height 0.73
0805r [mm]
  rect 1.2x1.5 smd: 1(0,0) 2(2.048,0)
  silkscreen extent -1.02,-1.14 3.05,1.14, body extent -0.13,-0.67 2.17,0.68, height 0.76
0805R [mm]
  rect 1.2x1.5 smd: 1(0,0) 2(2.048,0)
  silkscreen extent -1.02,-1.14 3.05,1.14, body extent -0.13,-0.67 2.17,0.68, height 0.76
A05_S-1WR3 [mm]
  round 1.5 hole 1: 1(0,0) 2(2.54,0) 4(7.62,0) 5(10.16,0) 6(12.7,0)
  silkscreen extent -2.54,-5.84 17.53,1.14, body extent -2.33,-5.29 17.32,0.71, height 10.16
CB [mm] "Tantalum?Capacitor"
  rect 2.5x1.524 smd: 1(0,0) 2(0,-3.2)
  silkscreen extent -1.78,-3.9 1.78,0.51, body extent -1.48,-3.5 1.52,0.2, height 1.57
CP-40-15(QFN40) [mm] "QFN, 40-Leads, Body 6.00x6.00mm, Pitch 0.50mm, Thermal Pad 4.60x4.60mm, IPC Low Density"
  rect 0.95x0.35 smd: 1(-2.975,2.25) 2(-2.975,1.75) 3(-2.975,1.25) 4(-2.975,0.75) 5(-2.975,0.25) 6(-2.975,-0.25) 7(-2.975,-0.75) 8(-2.975,-1.25) 9(-2.975,-1.75) 10(-2.975,-2.25) 21(2.975,-2.25) 22(2.975,-1.75) 23(2.975,-1.25) 24(2.975,-0.75) 25(2.975,-0.25) 26(2.975,0.25) 27(2.975,0.75) 28(2.975,1.25) 29(2.975,1.75) 30(2.975,2.25)
  rect 0.35x0.95 smd: 11(-2.25,-2.975) 12(-1.75,-2.975) 13(-1.25,-2.975) 14(-0.75,-2.975) 15(-0.25,-2.975) 16(0.25,-2.975) 17(0.75,-2.975) 18(1.25,-2.975) 19(1.75,-2.975) 20(2.25,-2.975) 31(2.25,2.975) 32(1.75,2.975) 33(1.25,2.975) 34(0.75,2.975) 35(0.25,2.975) 36(-0.25,2.975) 37(-0.75,2.975) 38(-1.25,2.975) 39(-1.75,2.975) 40(-2.25,2.975)
  rect 4.6x4.6 smd: 41(0,0)
  silkscreen extent -3.97,-3.2 3.2,3.2, body extent -3.1,-3.1 3.1,3.1, height 1
DIODE-0.7 [mm] "Diode, Thru-Hole; 2 Leads; 0.7 in Pin Spacing"
  round 1.65 hole 1: 1(-8.89,0) 2(8.89,0)
  silkscreen extent -7.37,-2.54 7.37,2.54
E3 [mm] "TO, Flat Index; 3 In-Line, Axial Leads; Body Dia. 4.6mm; Lead Dia. 0.5 mm (max)"
  oval 2x1 hole 0.8: 1(0,1.27) 2(0,0) 3(0,-1.27)
  silkscreen extent -1.41,-2.41 1.41,2.41
HDR1X2 [mm] "Connector; Header; 2 Position"
  rect 1.5x1.5 hole 0.9: 1(0,0)
  round 1.5 hole 0.9: 2(2.54,0)
  silkscreen extent -1.27,-1.27 3.81,1.27
HDR1X3 [mm] "Connector; Header; 3 Position"
  rect 1.5x1.5 hole 0.9: 1(0,0)
  round 1.5 hole 0.9: 2(2.54,0) 3(5.08,0)
  silkscreen extent -1.27,-1.27 6.35,1.27
HDR1X4 [mm] "Connector; Header; 4 Position"
  rect 1.5x1.5 hole 0.9: 1(0,0)
  round 1.5 hole 0.9: 2(2.54,0) 3(5.08,0) 4(7.62,0)
  silkscreen extent -1.27,-1.27 8.89,1.27
HDR1X5 [mm] "Connector; Header; 5 Position"
  rect 1.5x1.5 hole 0.9: 1(0,0)
  round 1.5 hole 0.9: 2(2.54,0) 3(5.08,0) 4(7.62,0) 5(10.16,0)
  silkscreen extent -1.27,-1.27 11.43,1.27
LEDΦ3.0 [mm]
  rect 1.2x1.2 hole 0.762: 1(0,0)
  round 1.2 hole 0.762: 2(2.25,0)
  silkscreen extent -1.85,-3 4.14,3, body extent -0.64,-1.9 2.79,1.9, height 4.64
LQFP64S(12x12) [mm] "TSQFP, 64-Leads, Body 10.00x10.00mm, Pitch 0.50mm, IPC Medium Density"
  oval 1.45x0.3 smd: 1(0,0) 2(0,-0.5) 3(0,-1) 4(0,-1.5) 5(0,-2) 6(0,-2.5) 7(0,-3) 8(0,-3.5) 9(0,-4) 10(0,-4.5) 11(0,-5) 12(0,-5.5) 13(0,-6) 14(0,-6.5) 15(0,-7) 16(0,-7.5) 33(11.45,-7.5) 34(11.45,-7) 35(11.45,-6.5) 36(11.45,-6) 37(11.45,-5.5) 38(11.45,-5) 39(11.45,-4.5) 40(11.45,-4) 41(11.45,-3.5) 42(11.45,-3) 43(11.45,-2.5) 44(11.45,-2) 45(11.45,-1.5) 46(11.45,-1) 47(11.45,-0.5) 48(11.45,0)
  oval 0.3x1.45 smd: 17(1.975,-9.475) 18(2.475,-9.475) 19(2.975,-9.475) 20(3.475,-9.475) 21(3.975,-9.475) 22(4.475,-9.475) 23(4.975,-9.475) 24(5.475,-9.475) 25(5.975,-9.475) 26(6.475,-9.475) 27(6.975,-9.475) 28(7.475,-9.475) 29(7.975,-9.475) 30(8.475,-9.475) 31(8.975,-9.475) 32(9.475,-9.475) 49(9.475,1.975) 50(8.975,1.975) 51(8.475,1.975) 52(7.975,1.975) 53(7.475,1.975) 54(6.975,1.975) 55(6.475,1.975) 56(5.975,1.975) 57(5.475,1.975) 58(4.975,1.975) 59(4.475,1.975) 60(3.975,1.975) 61(3.475,1.975) 62(2.975,1.975) 63(2.475,1.975) 64(1.975,1.975)
  silkscreen extent -0.12,-8.35 10.33,0.85, body extent 0.72,-8.75 10.73,1.25, height 1.6
mov [mm] "Axial Device, Thru-Hole; 2 Leads; 0.3 in Pin Spacing"
  round 1.4 hole 0.85: 1(-3.81,0) 2(3.81,0)
  silkscreen extent -5.53,-0.76 5.88,0.76, body extent -5.5,-0.9 5.8,0.95, height 18.5
S-PQFP-G32 [mm] "TSQFP, 32-Leads, Body 5.00x5.00mm, Pitch 0.50mm, IPC Low Density"
  rect 1.6x0.35 smd: 1(-3.3,1.75) 2(-3.3,1.25) 3(-3.3,0.75) 4(-3.3,0.25) 5(-3.3,-0.25) 6(-3.3,-0.75) 7(-3.3,-1.25) 8(-3.3,-1.75) 17(3.3,-1.75) 18(3.3,-1.25) 19(3.3,-0.75) 20(3.3,-0.25) 21(3.3,0.25) 22(3.3,0.75) 23(3.3,1.25) 24(3.3,1.75)
  rect 0.35x1.6 smd: 9(-1.75,-3.3) 10(-1.25,-3.3) 11(-0.75,-3.3) 12(-0.25,-3.3) 13(0.25,-3.3) 14(0.75,-3.3) 15(1.25,-3.3) 16(1.75,-3.3) 25(1.75,3.3) 26(1.25,3.3) 27(0.75,3.3) 28(0.25,3.3) 29(-0.25,3.3) 30(-0.75,3.3) 31(-1.25,3.3) 32(-1.75,3.3)
  silkscreen extent -3.42,-2.1 2.1,2.6, body extent -3.5,-3.5 3.5,3.5, height 1.2
SO-8-N [mm]
  oval 2.2x0.6 smd: 1(0.013,0) 2(0.013,-1.27) 3(0.013,-2.54) 4(0.013,-3.81) 5(4.813,-3.81) 6(4.813,-2.54) 7(4.813,-1.27) 8(4.813,0)
  silkscreen extent -0.11,-4.41 3.31,0.97, body extent -0.48,-4.39 5.3,0.51, height 1.45
SO-16 [mm]
  rect 2.2x0.65 smd: 1(-3.5,4.445) 2(-3.5,3.175) 3(-3.5,1.905) 4(-3.5,0.635) 5(-3.5,-0.635) 6(-3.5,-1.905) 7(-3.5,-3.175) 8(-3.5,-4.445) 9(3.5,-4.445) 10(3.5,-3.175) 11(3.5,-1.905) 12(3.5,-0.635) 13(3.5,0.635) 14(3.5,1.905) 15(3.5,3.175) 16(3.5,4.445)
  silkscreen extent -3.62,-5.3 2,5.44, body extent -3.5,-5.3 3.5,5.3, height 2.11
SOD123 [mm]
  rect 1.5x1.5 smd: 1(0,0) 2(3.556,0)
  silkscreen extent -1.27,-1.27 4.83,1.27, body extent -0.2,-0.8 3.5,0.8, height 1.27
sod123 [mm]
  rect 1.5x1.5 smd: 1(0,0) 2(3.556,0)
  silkscreen extent -1.27,-1.27 4.83,1.27, body extent -0.2,-0.8 3.5,0.8, height 1.27
sod323 [mm]
  rect 0.8x1 smd: 1(0,0) 2(2.413,0)
  silkscreen extent -1.03,-1.27 3.49,1.27, body extent -0.16,-0.68 2.44,0.67, height 1.1
SOIC-16(RI-16-2) [mm]
  rect 2.54x0.8 smd: 1(-4.825,4.445) 2(-4.825,3.175) 3(-4.825,1.905) 4(-4.825,0.635) 5(-4.825,-0.635) 6(-4.825,-1.905) 7(-4.825,-3.175) 8(-4.825,-4.445) 9(4.825,-4.445) 10(4.825,-3.175) 11(4.825,-1.905) 12(4.825,-0.635) 13(4.825,0.635) 14(4.825,1.905) 15(4.825,3.175) 16(4.825,4.445)
  silkscreen extent -4.95,-6.5 3.4,6.5, body extent -5.15,-6.5 5.15,6.5, height 2.64
SOIC_W-20(RW-20) [mm] "SOIC, 20-Leads, Body 12.80x7.50mm, Pitch 1.27mm, IPC Low Density"
  rect 2.5x0.85 smd: 1(-4.85,5.715) 2(-4.85,4.445) 3(-4.85,3.175) 4(-4.85,1.905) 5(-4.85,0.635) 6(-4.85,-0.635) 7(-4.85,-1.905) 8(-4.85,-3.175) 9(-4.85,-4.445) 10(-4.85,-5.715) 11(4.85,-5.715) 12(4.85,-4.445) 13(4.85,-3.175) 14(4.85,-1.905) 15(4.85,-0.635) 16(4.85,0.635) 17(4.85,1.905) 18(4.85,3.175) 19(4.85,4.445) 20(4.85,5.715)
  silkscreen extent -4.97,-6.5 3.4,6.71, body extent -5.16,-6.5 5.16,6.5, height 2.65
SOP16-1.27(V2) [mm]
  rect 2x0.6 smd: 1(-4.65,4.064)
  oval 2x0.6 smd: 2(-4.65,2.794) 3(-4.65,1.524) 4(-4.65,0.254) 5(-4.65,-1.016) 6(-4.65,-2.286) 7(-4.65,-3.556) 8(-4.65,-4.826) 9(4.65,-4.826) 10(4.65,-3.556) 11(4.65,-2.286) 12(4.65,-1.016) 13(4.65,0.254) 14(4.65,1.524) 15(4.65,2.794) 16(4.65,4.064)
  oval 0.7x0.5 on Top Overlay mask+0.051: ""(-4.44,4.826)
  silkscreen extent -3.7,-5.68 3.7,4.85, body extent -5.16,-5.55 5.2,4.75, height 2.25
SOT563F(SC-89-6) [mm] "SOTFL, 6-Leads, Body 1.60x1.60mm, Pitch 0.50mm, IPC Medium Density"
  rect 0.8x0.25 smd: 1(-0.8,0.5) 2(-0.8,0) 3(-0.8,-0.5) 4(0.8,-0.5) 5(0.8,0) 6(0.8,0.5)
  silkscreen extent -0.87,-0.85 0.05,1.3, body extent -0.8,-0.85 0.8,0.85, height 0.6
SOT-23-3 [mm]
  rect 1x1.524 smd: 1(0,0) 2(1.9,0) 3(0.95,2.2)
  silkscreen extent -1.14,0 3.05,2.29, body extent -0.55,-0.23 2.45,2.27, height 0.55
SOT-23-BJT [mm]
  rect 2.6x2.05 smd: 1(0.95,2.159)
  rect 1x1.5 smd: 2(0,0) 3(1.9,0)
  silkscreen extent -1.27,-0.13 3.05,2.67, body extent -0.55,-0.23 2.45,2.27, height 0.55
TI-RHB32-3150X3150TP_V [mm] "QFN, 32-Leads, Body 5x5mm, Pitch 0.5mm, Thermal Pad 3.15x3.15mm"
  oval 0.85x0.28 smd: 1(-2.475,1.75) 2(-2.475,1.25) 3(-2.475,0.75) 4(-2.475,0.25) 5(-2.475,-0.25) 6(-2.475,-0.75) 7(-2.475,-1.25) 8(-2.475,-1.75) 17(2.475,-1.75) 18(2.475,-1.25) 19(2.475,-0.75) 20(2.475,-0.25) 21(2.475,0.25) 22(2.475,0.75) 23(2.475,1.25) 24(2.475,1.75)
  oval 0.28x0.85 smd: 9(-1.75,-2.475) 10(-1.25,-2.475) 11(-0.75,-2.475) 12(-0.25,-2.475) 13(0.25,-2.475) 14(0.75,-2.475) 15(1.25,-2.475) 16(1.75,-2.475) 25(1.75,2.475) 26(1.25,2.475) 27(0.75,2.475) 28(0.25,2.475) 29(-0.25,2.475) 30(-0.75,2.475) 31(-1.25,2.475) 32(-1.75,2.475)
  rect 3.15x3.15 smd: 33(0,0)
  silkscreen extent -3.35,-2.58 2.58,2.57, body extent -2.54,-2.5 2.46,2.5, height 0.85
vls4012 [mm]
  rect 4.4x1.3 smd: 1(0,0) 2(0,-2.8)
  silkscreen extent -3.17,-3.05 3.17,0.13, body extent -2.03,-3.62 2.03,0.83, height 1.7
WRB_ST(SD)-3WR2 [mm] "WRB_ST(SD)-3WR2"
  round 1.5 hole 0.8: 1(0,0) 4(0,-7.62) 5(7.62,-7.62) 6(7.62,-5.08) 7(7.62,-2.54)
  silkscreen extent -3.17,-11.43 11.3,3.05, body extent -2.94,-11.19 11.06,2.81, height 9
Φ6.3×11.5 [mil]
  round 60 hole 30: 1(0,0) 2(100,0)
  silkscreen extent -88,-138 188,138, body extent -75,-125 175,125, height 454